# Altium PCB MotorBoard.PcbDoc (part 2 of 2) (continued)
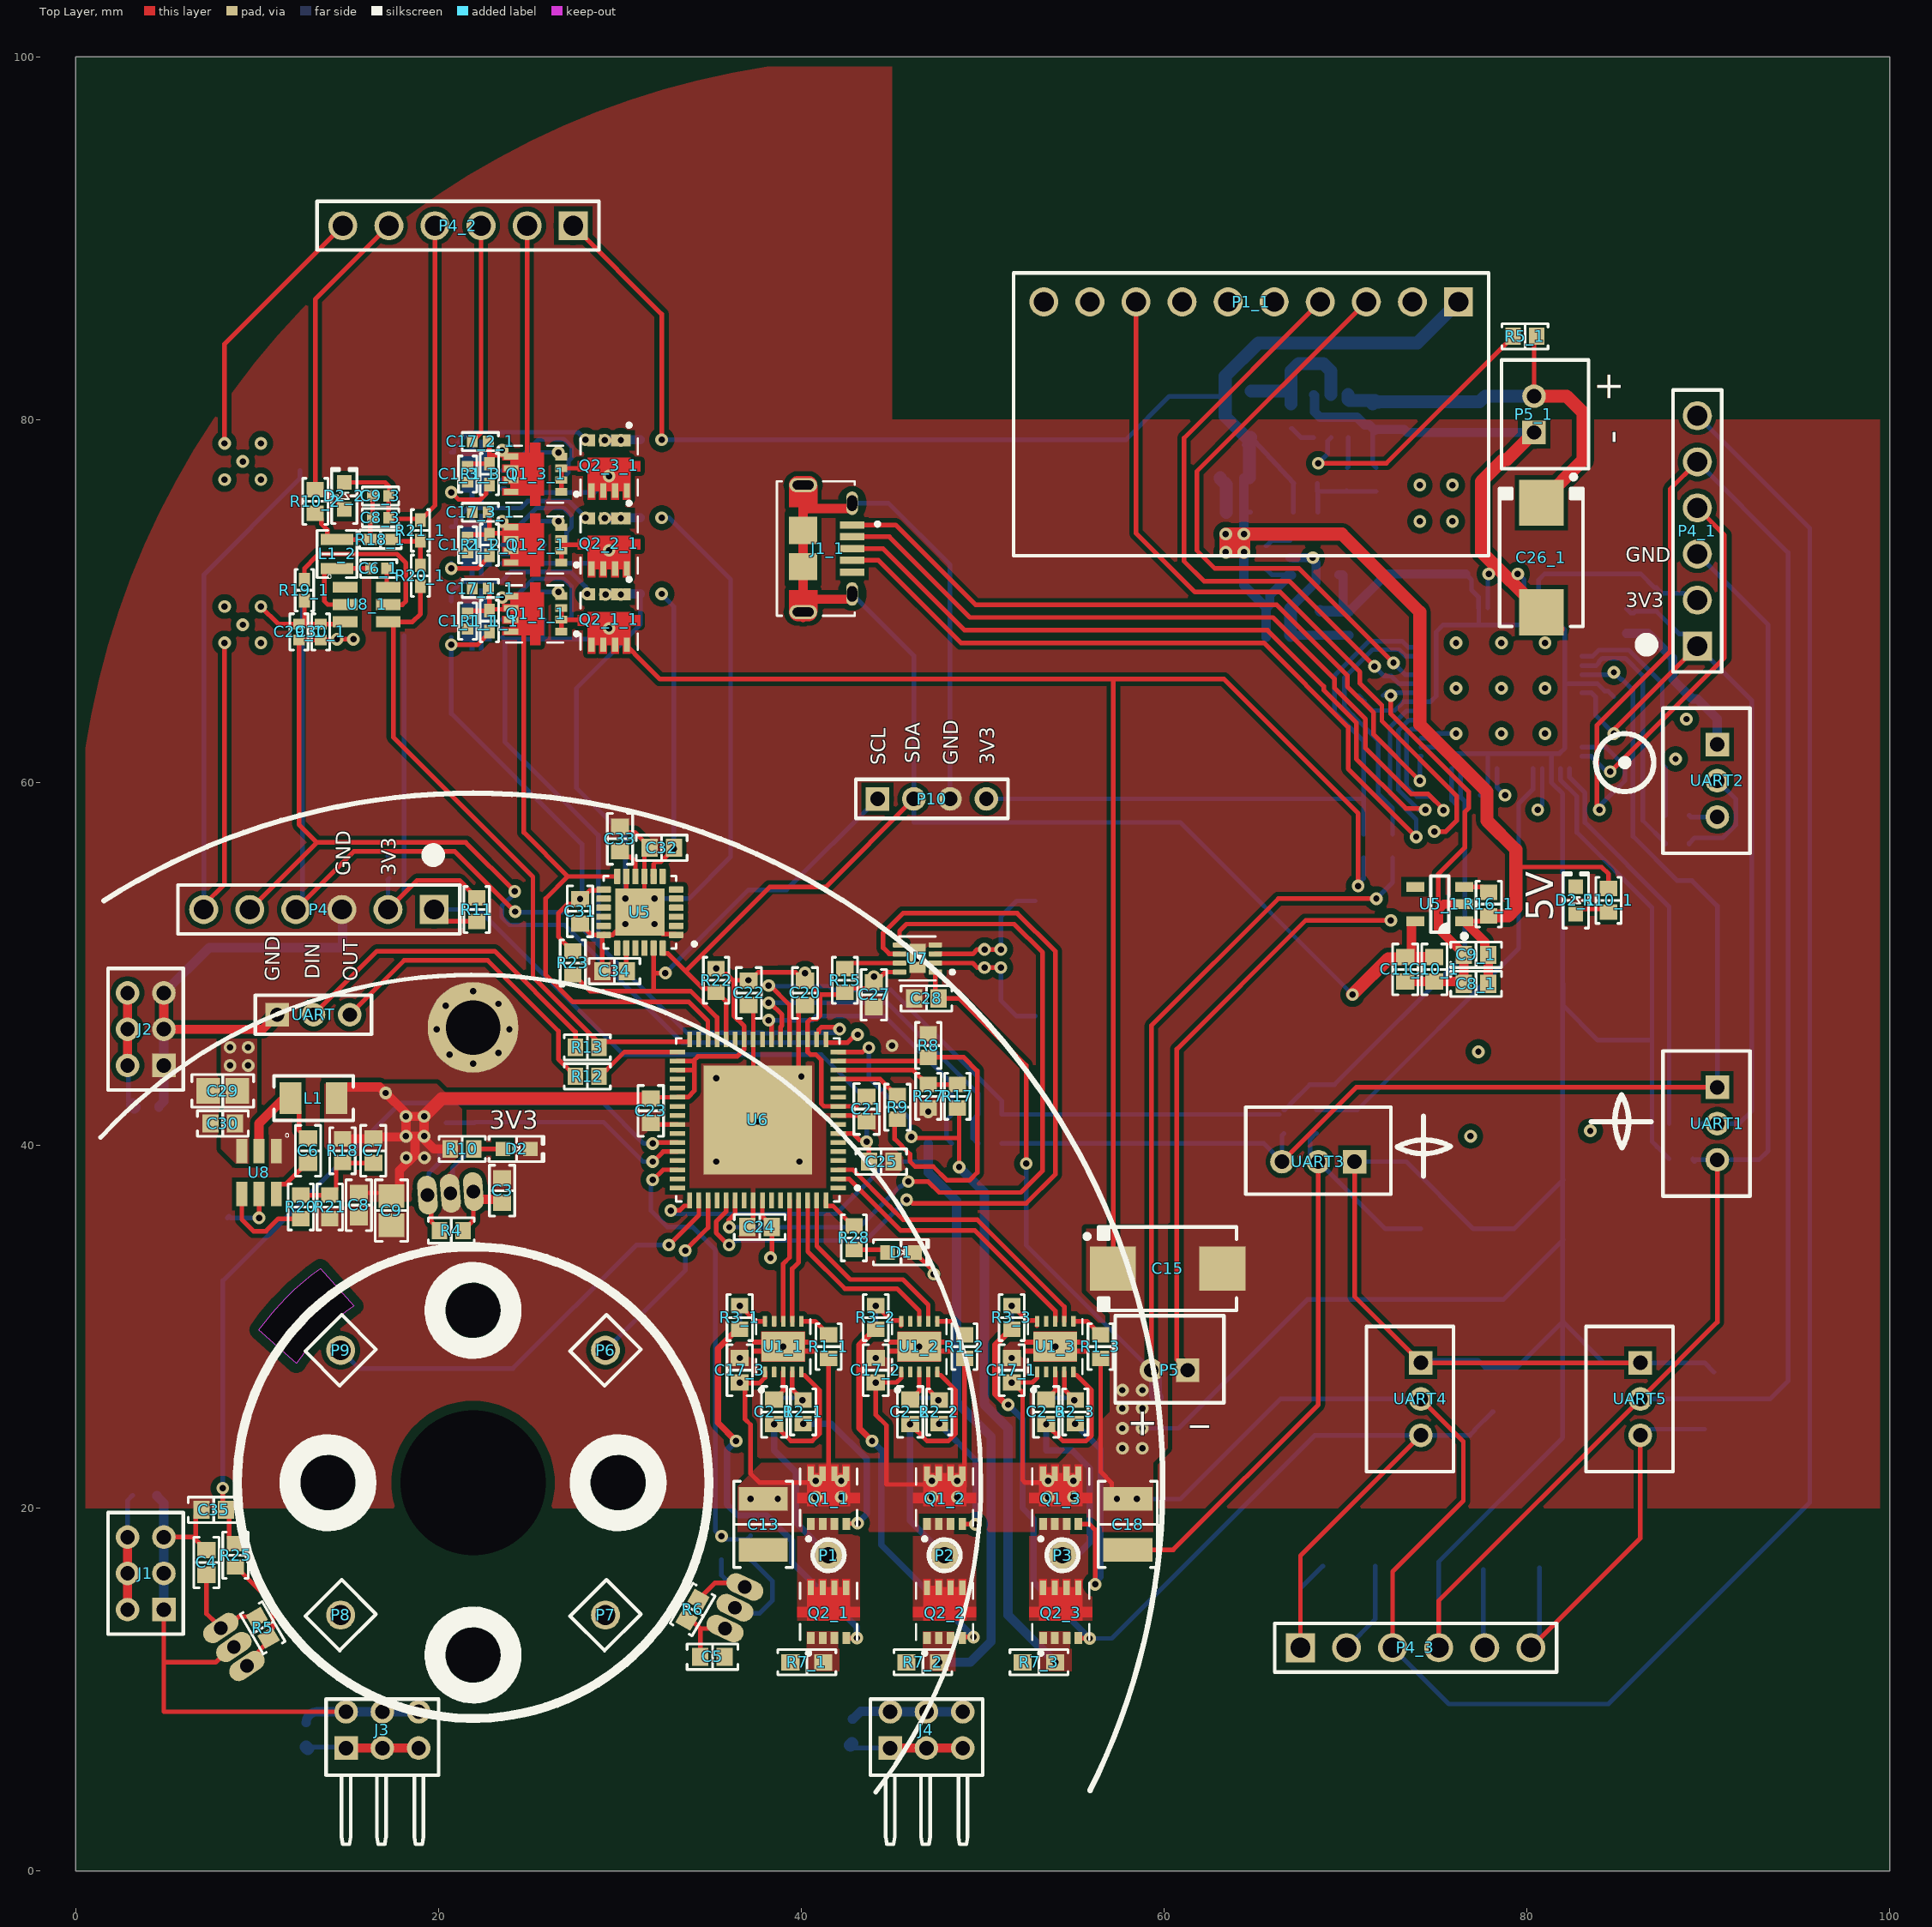
[diagram p0: Top Layer view]
## Nets (pads, with @x,y where several pads share a name; then routed paths per layer and width w, separated by ;. In a path a pad name is that pad's centre, name@x,y a point inside that pad or via, vN(x,y) a via of type N, cw(c..) or ccw(c..) an arc to the next point about the centre after c; other vN are vias at no path point) (continued)
RX: R13.2 U6.32 | length 5.3
  Top Layer w0.254: R13.2@28.85,45.4 28.85,45.416 29.148,45.714 33.847,45.714 33.85,45.717 U6.32@33.85,45.835
SCL: P10.1 R23.1 U5.23 U6.29 | length 28.9
  Top Layer w0.254: R23.1@27.4,49.4 27.45,49.4 28.35,48.5 31.9,48.5 ; U5.23@31.85,50.875 31.85,49.5 ; v1(32.5,49.5) 31.85,49.5 ; U6.29@35.35,45.835 35.347,45.838 35.347,47.053 33.9,48.5 31.9,48.5 ; 31.85,49.5 31.85,48.55 31.9,48.5
  Bottom Layer w0.254: v1(32.5,49.5) 37.081,54.081 39.181,54.081 P10.1@44.2,59.1
SDA: P10.2 R22.1 U5.24 U6.28 | length 23.4
  Top Layer w0.254: U5.24@32.35,50.875 32.35,50.625 32.398,50.577 32.648,50.577 33.62,49.605 ; R22.1@35.3,48.45 35.118,48.632 34.593,48.632 33.62,49.605 ; R22.1@35.35,48.45 35.85,47.95 U6.28@35.85,45.835 ; P10.2@46.2,59.1 41.341,54.241 38.257,54.241 33.62,49.605
TX: R12.2 U6.33 | length 4.8
  Top Layer w0.254: R12.2@28.9,43.85 28.9,43.9 29.148,44.148 29.248,44.148 30.25,45.15 33.159,45.15 33.162,45.147 U6.33@33.165,45.15
VBAT: C1_1.2 C1_2.2 C1_3.2 C10.2 C12.2 C13.2 C14.1 C15.1 C16.1 C17_1.2 C17_2.2 C17_3.2 C18.2 C26.1 C28.1 C29.2 C30.1 J1.2 J1.4 J1.6 J2.2 J2.4 J2.6 J3.1 J3.3 J3.5 J4.1 J4.3 J4.5 P5.2 Q1_1.5 Q1_1.6 Q1_1.7 Q1_1.8 Q1_2.5 Q1_2.6 Q1_2.7 Q1_2.8 Q1_3.5 Q1_3.6 Q1_3.7 Q1_3.8 R1_1.1 R1_2.1 R1_3.1 R19.2 U1_1.1 U1_2.1 U1_3.1 U7.1 U8.3 | length 108.7
  Top Layer w0.254: U1_1.1@38,27.5 38,27.2 37.7,26.9 36.625,26.9 36.9,26.625 36.9,24.9 37.2,24.6 37.2,21.9 37.7,21.4 41.5,21.4 ; 41.4,21.2 41.5,21.3 41.5,21.4 ; R1_1.1@41.5,28.25 41.5,21.4 ; U1_2.1@45.5,27.465 45.5,27.175 45.25,26.925 v2(44.1,26.925) 44.1,25.151 44.7,24.551 44.7,21.3 v1@47.4,21.3 ; U7.1@47.385,49.55 47.385,48.29 C28.1@47.575,48.1 48.705,48.1 52.4,44.405 v1(52.4,39) ; 48.9,21.1 49,21.2 R1_2.1@49,28.25 ; U1_3.1@53,27.465 53,27.175 52.75,26.925 v2(51.6,26.925) 51.65,26.925 51.973,26.602 52.2,26.375 52.2,21.549 52.349,21.4 v1@53.7,21.4 ; R1_3.1@56.5,28.25 56.5,22 57.118,21.382 57.118,21.023 57.641,20.5 C18.2@58,20.5
  Top Layer w0.508: J1.2@2.85,14.4 J1.4@2.85,16.4 J1.6@2.85,18.4 ; J2.2@2.85,44.4 J2.4@2.85,46.4 J2.6@2.85,48.4 ; J3.1@14.9,6.77 J3.3@16.9,6.77 J3.5@18.9,6.77 ; J4.1@44.9,6.77 J4.3@46.9,6.77 J4.5@48.9,6.77
  Bottom Layer w0.254: J1.6@2.85,18.4 2.85,20.425 C10.2@3.125,20.7 ; J2.2@2.85,44.4 2.902,44.348 2.902,42.423 C16.1@3.131,42.194 ; C12.2@12.7,6.825 14.845,6.825 cw(c14.845,6.77) J3.1@14.9,6.77 ; C1_1.2@36.55,26.925 v2(36.6,26.925) C1_1.2@36.575,26.9 ; C14.1@42.753,6.978 42.961,6.77 J4.1@44.9,6.77 ; v1(52.4,39) 52.4,34.5 P5.2@59.3,27.6
  Bottom Layer w0.712: C16.1@3.131,42.244 3.131,42.194 C16.1@3.225,42.1 ; C12.2@12.7,6.825 C12.2@12.794,6.731 ; C14.1@42.706,6.931 42.753,6.978 C14.1@42.8,7.025 ; P5.2@59.3,27.6 59.3,27.441 59.531,27.21 59.531,26.194 C26.1@59.625,26.1
  other v1: 37.2,20.5 38.7,20.5 57.4,20.5 58.5,20.5 40.8,20.6 42.2,20.6 47.2,20.6 48.6,20.6 53.6,20.6 55,20.6 40.8,21.5 42.2,21.5 47.2,21.5 48.6,21.5 53.6,21.5 55,21.5 57.7,23.3 58.8,23.3 57.7,24.4 58.8,24.4 57.7,25.5 58.8,25.5 57.7,26.5 58.8,26.5 8.5,44.4 9.5,44.4 8.5,45.4 9.5,45.4
pads on no net: C1.1 C1.2 C1_1_1.1 C1_1_1.2 C1_2_1.1 C1_2_1.2 C1_3_1.1 C1_3_1.2 C2.1 C2.2 C2_1_1.1 C2_1_1.2 C2_2_1.1 C2_2_1.2 C2_3_1.1 C2_3_1.2 C3_1.1 C3_1.2 C4_1.1 C4_1.2 C5_1.1 C5_1.2 C6_1.1 C6_1.2 C7_1.1 C7_1.2 C8_1.1 C8_1.2 C8_2.1 C8_2.2 C8_3.1 C8_3.2 C9_1.1 C9_1.2 C9_2.1 C9_2.2 C9_3.1 C9_3.2 C10_1.1 C10_1.2 C10_2.1 C10_2.2 C11_1.1 C11_1.2 C11_2.1 C11_2.2 C12_1.1 C12_1.2 C17_1_1.1 C17_1_1.2 C17_2_1.1 C17_2_1.2 C17_3_1.1 C17_3_1.2 C20_1.1 C20_1.2 C21_1.1 C21_1.2 C22_1.1 C22_1.2 C23_1.1 C23_1.2 C24_1.1 C24_1.2 C25_1.1 C25_1.2 C26_1.1 C26_1.2 C29_1.1 C29_1.2 C30_1.1 C30_1.2 D2_1.1 D2_1.2 D2_2.1 D2_2.2 D3_1_1.1 D3_1_1.2 D3_2_1.1 D3_2_1.2 D3_3_1.1 D3_3_1.2 D4_1_1.1 D4_1_1.2 D4_2_1.1 D4_2_1.2 D4_2_2.1 D4_2_2.2 D4_2_3.1 D4_2_3.2 D4_2_4.1 D4_2_4.2 D4_2_5.1 D4_2_5.2 D4_2_6.1 D4_2_6.2 J1_1.1 J1_1.2 J1_1.3 J1_1.4 J1_1.5 J1_1.S1 J1_1.S2 J1_1.S3 J1_1.S4 J1_1.S5 J1_1.S6 L1_1.1 L1_1.2 L1_2.1 L1_2.2 P1_1.1 P1_1.2 P1_1.3 P1_1.4 P1_1.5 P1_1.6 P1_1.7 P1_1.8 P1_1.9 P1_1.10 P4.6 P4_1.1 P4_1.2 P4_1.3 P4_1.4 P4_1.5 P4_1.6 P4_2.1 P4_2.2 P4_2.3 P4_2.4 P4_2.5 P4_2.6 P4_3.1 P4_3.2 P4_3.3 P4_3.4 P4_3.5 P4_3.6 P5_1.1 P5_1.2 Q1_1_1.1 Q1_1_1.2 Q1_1_1.3 Q1_1_1.4 Q1_1_1.5 Q1_1_1.6 Q1_1_1.7 Q1_1_1.8 Q1_2_1.1 Q1_2_1.2 Q1_2_1.3 Q1_2_1.4 Q1_2_1.5 Q1_2_1.6 Q1_2_1.7 Q1_2_1.8 Q1_3_1.1 Q1_3_1.2 Q1_3_1.3 Q1_3_1.4 Q1_3_1.5 Q1_3_1.6 Q1_3_1.7 Q1_3_1.8 Q2_1_1.1 Q2_1_1.2 Q2_1_1.3 Q2_1_1.4 Q2_1_1.5 Q2_1_1.6 Q2_1_1.7 Q2_1_1.8 Q2_2_1.1 Q2_2_1.2 Q2_2_1.3 Q2_2_1.4 Q2_2_1.5 Q2_2_1.6 Q2_2_1.7 Q2_2_1.8 Q2_3_1.1 Q2_3_1.2 Q2_3_1.3 Q2_3_1.4 Q2_3_1.5 Q2_3_1.6 Q2_3_1.7 Q2_3_1.8 R1.1 R1.2 R1_1_1.1 R1_1_1.2 R1_2_1.1 R1_2_1.2 R1_3_1.1 R1_3_1.2 R2.1 R2.2 R3.1 R3.2 R4_1.1 R4_1.2 R5_1.1 R5_1.2 R6_1.1 R6_1.2 R7.1 R7.2 R7_1_1.1 R7_1_1.2 R7_2_1.1 R7_2_1.2 R7_3_1.1 R7_3_1.2 R9_1.1 R9_1.2 R10_1.1 R10_1.2 R10_2.1 R10_2.2 R11_1.1 R11_1.2 R12_1.1 R12_1.2 R13_1.1 R13_1.2 R14_1.1 R14_1.2 R15_1.1 R15_1.2 R16_1.1 R16_1.2 R16_2.1 R16_2.2 R18_1.1 R18_1.2 R19_1.1 R19_1.2 R20_1.1 R20_1.2 R21_1.1 R21_1.2 U1.1 U1.2 U1.3 U1.4 U1.5 U1.6 U1.7 U1.8 U1.9 U1.10 U1.11 U1.12 U1.13 U1.14 U1.15 U1.16 U1.17 U1.18 U1.19 U1.20 U1.21 U1.22 U1.23 U1.24 U1.25 U1.26 U1.27 U1.28 U1.29 U1.30 U1.31 U1.32 U1.33 U1.34 U1.35 U1.36 U1.37 U1.38 U1.39 U1.40 U1.41 U1.42 U1.43 U1.44 U1.45 U1.46 U1.47 U1.48 U1.49 U1.50 U1.51 U1.52 U1.53 U1.54 U1.55 U1.56 U1.57 U1.58 U1.59 U1.60 U1.61 U1.62 U1.63 U1.64 U1.65 U1_1.2 U1_1_1.1 U1_1_1.2 U1_1_1.3 U1_1_1.4 U1_1_1.5 U1_1_1.6 U1_1_1.7 U1_1_1.8 U1_1_1.9 U1_1_1.10 U1_1_1.11 U1_2.2 U1_2_1.1 U1_2_1.2 U1_2_1.3 U1_2_1.4 U1_2_1.5 U1_2_1.6 U1_2_1.7 U1_2_1.8 U1_2_1.9 U1_2_1.10 U1_2_1.11 U1_3.2 U1_3_1.1 U1_3_1.2 U1_3_1.3 U1_3_1.4 U1_3_1.5 U1_3_1.6 U1_3_1.7 U1_3_1.8 U1_3_1.9 U1_3_1.10 U1_3_1.11 U4_1.1 U4_1.2 U4_1.3 U4_1.4 U4_1.5 U4_1.6 U5.2 U5.3 U5.4 U5.5 U5.6 U5.7 U5.14 U5.15 U5.16 U5.17 U5.19 U5.21 U5.22 U5_1.1 U5_1.2 U5_1.3 U5_1.4 U5_1.5 U5_2.1 U5_2.2 U5_2.3 U5_2.4 U5_2.5 U6.1 U6.4 U6.5 U6.6 U6.8 U6.11 U6.12 U6.24 U6.27 U6.36 U6.37 U6.39 U6.40 U6.42 U6.45 U6.47 U6.48 U6.52 U6.55 U6.58 U6.59 U8_1.1 U8_1.2 U8_1.3 U8_1.4 U8_1.5 U8_1.6 UART1.1 UART1.2 UART1.3 UART2.1 UART2.2 UART2.3 UART3.1 UART3.2 UART3.3 UART4.1 UART4.2 UART4.3 UART5.1 UART5.2 UART5.3
copper on no net: | length 2225.3
  Top Layer w0.254: 7.05,53.25 8.2,54.4 v3(8.2,67.7) ; v3(8.2,78.7) 8.2,84.18 14.72,90.7 ; v3(10.2,69.7) 11.16,68.74 12.3,68.74 12.6,68.74 ; 12.6,70.025 12.6,68.74 ; 12.6,71.175 12.6,71.805 13.246,72.451 13.395,72.6 17.7,72.6 18.2,72.1 18.2,70 18,69.8 17.228,69.8 17.218,69.811 ; 13.2,74.85 13.242,74.85 13.54,74.552 13.54,74.26 13.868,73.932 13.868,73.573 14.041,73.4 14.4,73.4 16.225,73.4 16.225,74.465 16.36,74.6 16.36,75.8 ; 13.29,56.7 12.3,57.69 12.3,67.86 13.5,67.86 13.508,67.868 14.368,67.868 v3(14.4,67.9) v3(15.3,67.9) ; 14.8,75.05 13.907,75.943 13.407,75.943 13.2,76.15 13.2,86.64 17.26,90.7 ; 14.8,76.55 17.05,76.55 17.3,76.3 17.3,75.86 17.24,75.8 17.24,74.602 ; 14.848,68.861 14.727,68.74 13.5,68.74 12.6,68.74 ; 14.848,69.811 13.889,69.811 13.7,70 13.7,71.627 13.873,71.8 14.4,71.8 16.26,71.8 ; 17.14,71.8 17.14,70.838 17.218,70.761 ; 17.218,68.861 18.561,68.861 19,69.3 19,70.825 ; 17.24,74.6 17.24,74.602 ; 17.375,73.4 17.475,73.3 18.975,73.3 19,73.325 19,71.975 ; 17.5,69 17.5,62.5 25.2,54.8 25.2,49.3 28.85,45.65 28.85,45.4 ; 19.8,90.7 19.8,75.275 19,74.475 18.938,74.538 17.413,74.538 17.413,74.775 17.24,74.602 ; v4(20.7,67.6) 22.15,67.6 22.8,68.25 22.8,68.325 ; v4(20.7,71.8) 22.15,71.8 22.8,72.45 22.8,72.525 ; v4(20.7,76) 21.1,75.6 22.3,75.6 22.627,75.927 22.627,76.252 22.8,76.425 ; 21.6,69.34 21.735,69.475 22.8,69.475 ; 21.6,73.54 21.735,73.675 22.8,73.675 ; 21.6,77.44 21.735,77.575 22.8,77.575 22.8,78.05 ; 21.86,78.8 22.34,79.28 22.34,90.7 ; 22.74,70.7 22.8,70.64 22.8,69.475 ; 22.74,74.9 22.8,74.84 22.8,73.675 ; 22.74,78.8 22.8,78.74 22.8,78.05 ; v3(23.5,70.2) 24.6,70.2 ; v3(23.5,78.322) 23.5,78.245 v3@23.695,78.05 ; 24,77.975 23.77,77.975 v3@23.695,78.05 ; 24,78.05 24.45,78.05 24.8,77.7 ; 24.7,69.1 24.7,69.401 ; 24.8,73.3 24.35,73.75 22.875,73.75 22.8,73.675 ; 24.8,77.3 24.88,77.38 24.88,90.7 ; v2(26.6,70.5) 26.6,70.445 v2@26.77,70.275 ; v2(26.6,74.4) 26.685,74.315 26.685,74.158 26.768,74.075 26.77,74.075 ; v2(26.6,78.2) 26.6,78.145 v2@26.77,77.975 ; 26.77,68.325 26.77,68.975 ; 26.77,69.625 26.77,68.975 ; 26.77,72.125 26.77,72.775 26.77,73.1 ; 26.77,73.425 26.77,73.1 ; 26.77,76.025 26.77,76.675 26.77,77.325 29.075,77.325 v2@29.4,77 ; 27.125,54.825 24.7,57.25 24.7,69.401 ; 27.42,90.7 32.3,85.82 v4(32.3,78.9) ; v2(28.1,74.6) 28.115,74.585 28.41,74.585 v2@28.425,74.57 ; v2(28.1,78.9) 28.115,78.885 28.41,78.885 v2@28.425,78.87 ; v2(28.2,70.4) 28.23,70.37 v2@28.425,70.37 ; v2@29.075,70.37 v2(29.203,70.37) 29.725,70.37 v2(30.05,70.37) v2@30.375,70.37 ; v2@29.075,78.87 v2(29.158,78.87) 29.725,78.87 v2(30.05,78.87) v2@30.375,78.87 ; v2(29.156,74.57) 29.075,74.57 29.725,74.57 v2(30.05,74.57) v2@30.375,74.57 ; v2@29.3,72.9 29.1,73.1 26.77,73.1 ; v2(29.4,68.5) 32.2,65.7 63.3,65.7 70.7,58.3 v1(70.7,54.3) ; 29.4,68.9 29.325,68.975 26.77,68.975 ; 42.8,72.25 44.25,72.25 48.8,67.7 65.5,67.7 70.146,63.054 70.146,60.754 v1(73.9,57) ; 42.8,72.9 44.5,72.9 49,68.4 65.7,68.4 68.8,65.3 68.8,65.1 70.6,63.3 70.6,61.3 73.325,58.575 74.325,58.575 v1(74.4,58.5) ; 42.8,73.55 44.85,73.55 49.3,69.1 66,69.1 69.4,65.7 69.4,65.2 71.1,63.5 71.1,61.9 73.631,59.369 74.565,59.369 75.4,58.534 v1(75.4,58.467) ; 42.8,74.2 45.2,74.2 49.6,69.8 66.2,69.8 70.1,65.9 70.1,65.3 71.554,63.846 71.554,62.646 v1(74.1,60.1) ; 57.2,32.9 57.2,65.7 ; 58,17.7 60.5,17.7 68.5,25.7 68.5,39.1 ; 58.45,86.5 58.45,73.75 61.7,70.5 66.4,70.5 70.8,66.1 70.8,65.466 72.008,64.258 72.008,63.392 76.131,59.269 76.131,57.903 75.528,57.3 v1(74.9,57.3) ; 59.3,27.6 59.3,46.6 66.3,53.6 v1(71.7,53.6) ; 61.3,27.6 60.7,28.2 60.7,45.3 67.8,52.4 v1(72.5,52.4) ; 66.5,39.1 70.6,43.2 90.5,43.2 ; 67.52,12.3 67.52,17.374 74.157,24.011 ; v1(68.5,77.6) 72.25,77.6 78.902,84.252 78.952,84.252 79.25,84.55 79.25,84.6 ; 68.61,86.5 61.1,78.99 61.1,72.2 62.2,71.1 66.9,71.1 v1(71.6,66.4) ; 70.5,39.1 70.5,31.668 74.157,28.011 86.257,28.011 ; 71.15,86.5 61.8,77.15 61.8,72.8 62.8,71.8 67.446,71.8 v1(72.646,66.6) ; v1(72.5,64.8) 72.5,63.79 76.8,59.49 76.8,58.6 76.585,58.385 76.585,56.424 75.125,54.964 75.125,53.002 ; 72.6,12.3 72.6,16.5 76.5,20.4 76.5,23.668 74.157,26.011 ; 75.14,12.3 75.14,14.894 86.257,26.011 90.5,30.254 90.5,39.2 ; 76.115,53.152 76.402,53.152 76.55,53.3 ; 76.55,52.35 77.55,52.35 77.85,52.65 77.9,52.65 ; 76.55,54.25 77.55,54.25 77.85,53.95 77.9,53.95 ; 79.396,55.125 79.612,55.341 84.119,55.341 84.504,54.956 84.504,54.15 ; 80.22,12.3 86.257,18.337 86.257,24.011 ; 80.4,81.3 80.4,84.45 80.55,84.6 ; 82.7,52.75 82.973,53.023 84.331,53.023 84.504,52.85 ; v1(84,58.5) 84,58.621 83.869,58.752 83.869,63.169 87.9,67.2 87.9,76.18 89.4,77.68 ; v1(84.6,60.6) 84.619,60.6 90.9,66.881 90.9,73.64 89.4,75.14 ; v1(84.8,62.7) 84.885,62.785 84.885,63.005 89.4,67.52 ; 22.8,69.475 22.875,69.55 24.551,69.55 24.7,69.401 ; 22.8,78.05 v3@23.695,78.05
  Top Layer w0.508: 40.1,69.1 40.1,69.9 ; 40.1,76.1 40.1,74.9 ; 42.8,70.1 40.3,70.1 40.1,69.9 ; 42.8,75.1 40.3,75.1 40.1,74.9 ; 73.3,49.025 74.9,49.025 76.525,49.025 ; 73.635,50.411 73.635,52.329 73.656,52.35 73.85,52.35 ; 76.475,52.329 76.663,52.329 76.663,52.235 77.679,51.219 77.679,50.696 77.875,50.5 77.875,48.9 ; 76.525,48.9 76.525,49.025 ; 76.55,53.3 75.423,53.3 75.125,53.002 75.125,51.95 76.525,50.55 76.525,49.025 ; 40.1,69.9 40.1,71.6 40.1,73.6 40.1,74.9
  Top Layer w0.608: 74.872,50.347 74.9,50.375
  Top Layer w0.712: v1(64.4,72.7) v1@64.4,72.732 ; v1(70.387,48.313) 70.534,48.459 72.357,50.282 73.207,50.282 73.3,50.375 ; 73.281,50.3 73.635,50.3 74.825,50.3 74.872,50.347 ; 77.9,52.65 78.979,52.65 79.396,53.067 79.396,55.125 79.396,56.304 77.8,57.9 77.8,59.5 74.1,63.2 74.1,69.4 69.8,73.7 v1(64.4,73.7) ; 80.4,79.3 78.903,77.803 78.703,77.803 77.5,76.6 77.5,72.725 80.8,69.425 80.8,69.375 80.8,69.325 81.669,68.456 81.719,68.456 ; 80.4,81.3 82.2,81.3 83.1,80.4 83.1,77.775 80.8,75.475 80.8,75.425 ; 63.4,73.216 64.4,73.216 ; 63.4,73.216 63.4,72.732 v1@64.4,72.732 ; 63.4,73.216 v1(63.4,73.7) v1(64.4,73.7) ; v1@64.4,72.732 64.4,73.216 ; 64.4,73.216 v1(64.4,73.7)
  Bottom Layer w0.254: 7.05,53 7.05,71.45 12.35,76.75 12.35,77.2 ; 12.4,53 12.5,53.1 12.5,70.2 ; 17.4,53.19 18.1,53.89 18.1,68.1 ; 20.7,68 v4(20.7,67.6) 20.7,63.8 27.9,56.6 27.9,53.675 ; 20.7,70 20.7,70.515 21.258,71.073 23.442,71.073 23.981,71.612 27.288,71.612 28.115,70.785 28.115,70.485 v2(28.2,70.4) ; v4(20.7,71.8) v4@20.7,72.1 ; 20.7,74.1 20.866,74.1 20.948,74.182 20.948,74.485 21.594,75.131 24.531,75.131 24.912,75.512 27.188,75.512 v2(28.1,74.6) ; 20.7,78.2 20.846,78.2 20.853,78.207 20.853,78.49 21.675,79.312 27.688,79.312 v2(28.1,78.9) ; 21.6,68.46 22.1,68.96 22.1,69 ; 21.6,72.66 21.66,72.66 22.1,73.1 ; 21.6,76.58 22.1,77.08 22.1,77.2 ; 23.5,68 23.548,68 23.648,67.9 ; 23.5,68.5 23.545,68.5 23.645,68.4 24.5,68.4 24.9,68.8 24.9,69.9 25.5,70.5 v2(26.6,70.5) ; 23.5,69 23.507,68.993 23.948,68.993 24.041,68.9 24.251,68.9 24.4,69.049 24.4,70.4 25.231,71.231 26.903,71.231 27.331,70.803 27.331,69.156 27.175,69 ; 23.5,72.1 25.6,72.1 ; 23.5,72.6 24.6,72.6 24.9,72.9 24.9,73.6 25.7,74.4 v2(26.6,74.4) ; 23.5,73.1 23.507,73.107 24.151,73.107 24.3,73.256 24.3,74.039 25.392,75.131 26.903,75.131 27.331,74.703 27.331,74.097 27.066,73.832 27.066,73.209 27.175,73.1 ; v3@23.5,74.1 v3(23.5,74.4) ; 23.5,76.2 23.666,76.2 23.807,76.059 23.841,76.059 23.9,76 25.525,76 ; 23.5,76.7 23.507,76.707 24.107,76.707 25.6,78.2 v2(26.6,78.2) ; 23.5,77.2 23.666,77.2 23.792,77.326 23.926,77.326 25.531,78.931 26.903,78.931 27.331,78.503 27.331,77.897 27.166,77.732 27.166,77.091 27.075,77 ; 25.725,77 25.525,76.8 25.525,76 ; 25.825,69 25.725,68.9 25.725,67.925 25.7,67.9 ; 25.825,73.1 25.525,72.8 25.525,72.175 25.6,72.1 ; 28.8,51.2 28.8,57.1 23.648,62.252 23.648,67.9 ; v2@29.3,72.8 28.6,72.1 25.6,72.1 ; v2(29.4,68.5) 28.8,67.9 25.7,67.9 ; v2@29.5,76.9 28.6,76 25.525,76 ; v2(30.05,70.37) v2@30.05,70.4 ; v2(30.05,74.57) v2@30.05,74.6 ; v2(30.05,78.87) v2@30.05,78.9 ; 30.3,53.6 30.3,57 27.6,59.7 27.6,65.2 31.125,68.725 31.125,70.4 ; 31.9,53.6 33.8,53.6 36.1,55.9 36.1,71.2 32.7,74.6 ; v4@32.275,74.6 v4(32.3,74.6) ; v4(32.3,70.4) 32.275,70.4 32.975,69.7 32.975,56.35 ; v4(32.3,78.9) 32.275,78.9 57.9,78.9 60.293,81.293 63.369,81.293 ; 42.8,70.4 46.2,67 46.2,59.1 ; 42.8,75.4 44.8,75.4 48.2,72 48.2,59.1 ; 46.2,58.8 46.2,57.8 60.9,57.8 v1@70.2,48.5 ; 50.2,59.1 71,59.1 ; 51.05,40.1 65.5,40.1 66.5,39.1 ; 51.05,41.7 66.35,41.7 ; 55.9,12.815 57.115,12.815 68.311,24.011 74.157,24.011 76.492,24.011 76.861,24.011 77.127,24.277 77.127,24.327 78.099,25.299 78.149,25.299 ; 58.5,20.5 60.9,20.5 66.411,26.011 74.157,26.011 ; 58.8,24.4 60.8,24.4 67.9,31.5 78.7,31.5 82,34.8 ; 64.4,74.9 64.775,74.9 ; 64.4,78.625 64.8,79.025 64.953,78.861 67.15,76.5 67.125,76.5 67.125,74.9 ; 65.6,71.75 65.65,71.75 65.95,71.45 66.95,71.45 ; 65.6,73.05 65.65,73.05 65.95,73.35 66.95,73.35 ; 65.625,69.6 65.625,69.65 ; 66.2,39.3 66.217,39.3 66.5,39.583 66.5,40.55 66.6,40.65 ; 66.6,41.95 66.65,41.95 66.948,42.248 66.948,42.26 68.034,43.346 69.388,43.346 76.585,50.543 76.585,58.958 76.35,59.193 76.35,60.765 ; 66.95,72.4 67.098,72.252 67.385,72.252 ; 67,79.525 67.05,79.525 67.56,79.015 68.25,79.015 ; 67.52,12.3 67.52,15.57 68.75,16.8 ; 68,39.1 68.052,39.152 68.052,40.352 68.35,40.65 68.4,40.65 ; 68.4,41.95 70.65,41.95 79.552,50.852 79.552,58.839 80.35,59.637 80.35,60.765 ; 68.45,76.5 68.45,76.05 68.475,76.05 ; 68.475,74.9 68.475,76.05 ; 68.5,39.1 72.2,35.4 74.15,35.4 ; v1(68.5,77.6) 69.027,78.127 69.027,78.842 69.2,79.015 ; 70.05,76.1 70.1,76.05 ; 70.06,12.3 71.65,13.89 71.65,16.8 ; 70.1,77.35 70.15,77.4 70.15,79.015 ; 70.2,69.475 70.25,69.475 ; 70.5,39.1 73.35,39.1 77.05,35.4 79.3,35.4 82,38.1 ; v1@70.7,54.421 71,54.721 71,55.85 ; 70.725,64.8 71.048,64.477 71.048,64.415 71.49,63.973 72.707,63.973 73.184,64.45 74.165,64.45 74.168,64.453 74.69,64.453 75,64.763 75,68.3 75.395,68.695 77.3,68.695 ; 71,57.15 71,62.3 69.394,63.906 69.394,65.894 71.285,67.785 73.137,67.785 73.469,67.453 74.162,67.453 74.165,67.45 ; 71.5,79.525 71.5,77.55 71.7,77.35 ; v1(71.6,66.4) 72.131,65.869 72.531,65.869 72.95,65.45 74.165,65.45 ; v1(71.7,53.6) 72.6,54.5 72.6,55.85 ; 71.7,76.05 70.1,76.05 ; 72.075,64.8 72.1,64.8 72.25,64.95 74.165,64.95 ; 72.6,12.3 75.7,9.2 ; 72.6,57.15 72.6,58.582 71.8,59.382 71.8,62.313 70.413,63.7 69.948,64.165 69.948,65.782 71.497,67.331 72.949,67.331 73.327,66.953 74.162,66.953 74.165,66.95 ; v1(72.646,66.6) 73.293,65.953 74.162,65.953 74.165,65.95 ; v1(73.9,57) 73.9,57.966 72.461,59.405 72.461,63.053 73.355,63.947 74.162,63.947 74.165,63.95 ; v1(74.1,60.1) 74.1,61.447 74.103,61.45 74.165,61.45 ; 74.157,28.011 74.296,28.15 77.3,28.15 77.7,27.75 78.85,27.75 79.45,27.75 82,30.3 ; 74.165,61.95 74.168,61.947 74.171,61.95 75.05,61.95 75.4,61.6 77.8,61.6 ; 74.165,62.45 74.168,62.453 74.811,62.453 75.058,62.7 v1(76.1,62.7) ; 74.165,62.95 74.162,62.947 73.64,62.947 73.369,62.676 73.369,60.403 73.369,59.797 73.935,59.231 74.703,59.231 75.4,58.534 v1(75.4,58.467) ; 74.165,63.45 74.162,63.447 73.498,63.447 72.915,62.865 72.915,60.591 72.915,59.609 74.024,58.5 v1(74.4,58.5) ; v1(74.9,57.3) 75.545,57.3 76.131,57.886 76.131,58.77 75.85,59.051 75.85,60.765 ; 75.14,12.3 75.14,17.04 81.975,23.875 81.975,58.5 81.975,59.381 81.353,60.003 81.353,60.762 81.35,60.765 81.35,61.55 81.3,61.6 ; 76.625,71.5 76.948,71.177 76.948,70.619 77.347,70.22 77.347,69.638 77.35,69.635 77.35,68.745 77.3,68.695 ; 77.425,59.3 77.748,59.623 77.748,59.855 77.847,59.954 77.847,60.762 77.85,60.765 77.847,60.768 77.847,61.553 77.8,61.6 ; 77.6,16.6 77.6,12 77.68,12.08 ; 77.85,69.635 77.85,71.475 77.875,71.5 v1(77.9,71.5) ; 78.35,60.765 78.35,59.75 v1@78.775,59.325 ; v1@78.775,59.3 v1@78.775,59.325 ; v1(79.5,71.5) 79.55,71.45 79.575,71.45 79.85,71.175 79.85,69.635 ; 80.22,12.3 80.7,12.78 80.7,16.7 ; v1(80.6,58.5) 80.85,58.75 80.85,60.765 ; 81.85,60.765 81.847,60.762 81.847,60.151 82.752,59.246 82.752,57.248 86.9,53.1 86.9,40.2 87.176,39.924 87.85,39.25 ; 81.975,30.275 84.239,28.011 86.257,28.011 89.8,28.011 90.316,27.495 ; 82,48.9 82,47.7 83.9,45.8 86.9,45.8 ; 82.35,60.765 82.353,60.762 82.353,60.287 83.206,59.434 83.206,57.794 87.85,53.15 87.85,41.2 ; 83.035,61.45 83.038,61.447 83.553,61.447 84.315,60.685 84.515,60.685 v1(84.6,60.6) ; 83.035,61.95 84.35,61.95 85.4,60.9 85.4,60.1 84,58.7 v1(84,58.5) ; 83.035,64.95 83.038,64.947 83.56,64.947 83.8,64.707 83.8,63.7 v1(84.8,62.7) ; 83.035,65.95 84.675,65.95 v1(84.8,66.075) 85.182,65.693 85.245,65.693 85.854,65.083 85.854,57.034 88.293,54.595 89.105,54.595 90.5,53.2 90.5,43.2 ; 83.035,66.45 83.824,66.45 83.973,66.599 83.973,66.66 84.165,66.852 85.435,66.852 86.394,65.894 86.394,57.906 87.65,56.65 87.65,56.6 ; 83.035,66.95 83.038,66.953 83.623,66.953 83.976,67.306 85.623,67.306 87.469,65.461 87.469,60.997 87.65,60.816 87.65,58.2 ; 84.8,64.725 84.477,65.048 84.294,65.048 83.892,65.45 83.035,65.45 82.145,65.45 82.095,65.5 ; 85.5,69.575 85.723,69.352 85.898,69.352 85.986,69.44 87.15,69.44 88.397,68.193 88.727,68.193 89.4,67.52 92.4,64.52 92.4,41.9 91.7,41.2 90.5,41.2 89.15,41.2 89.181,41.231 ; 86.257,24.011 86.596,24.35 89.8,24.35 ; 86.257,26.011 93.411,26.011 94.4,27 94.4,72.68 89.4,77.68 ; 87.1,70.74 87.05,70.74 ; 88.95,56.6 88.95,56.65 89.248,56.948 90.806,56.948 91.531,57.673 91.531,59.069 90.5,60.1 ; 88.95,58.2 89.05,58.1 90.5,58.1 ; 89.15,39.25 89.15,39.2 ; 89.25,39.1 89.15,39.2 ; 89.4,70.06 89.036,70.06 88.654,70.442 87.448,70.442 87.15,70.74 87.05,70.74 ; 89.4,72.6 93.3,68.7 93.3,39.7 92.8,39.2 90.5,39.2 89.15,39.2 ; 89.4,80.22 95.6,74.02 95.6,20.3 84.5,9.2 75.8,9.2 ; 23.648,67.9 25.7,67.9 ; 68.475,76.05 70.1,76.05 ; 75.7,9.2 75.8,9.2 ; 75.7,9.2 75.8,9.2 ; 77.3,68.695 80.3,68.695 ; 77.8,61.6 81.3,61.6 ; v1@78.775,59.325 78.775,59.35 78.8,59.325 v1(78.8,59.3) v1@78.775,59.325 ; 80.3,68.695 80.35,68.745 80.35,69.635 80.353,69.638 80.353,70.32 80.652,70.619 80.652,71.177 80.975,71.5 86.29,71.5 87.05,70.74 ; 80.3,68.695 81.805,68.695 82.095,68.405 82.095,65.5 ; 81.3,61.6 81.8,61.6 82.095,61.895 82.095,65.5
  Bottom Layer w0.508: 64.4,76.8 64.4,74.9 v1(64.4,73.7) ; 65.625,68 65.625,69.6 65.821,69.796 65.821,70.319 66.837,71.335 66.837,71.429 67.025,71.429 ; 65.625,69.65 64.4,70.875 v1(64.4,72.7) ; 66.95,72.4 68.077,72.4 68.375,72.102 68.375,71.05 66.975,69.65 66.975,69.6 ; 66.975,68 66.975,68.125 68.6,68.125 70.2,68.125 ; 68.25,81.385 68.296,81.339 68.296,80.442 68.594,80.144 70.638,80.144 71.061,79.721 71.304,79.721 71.5,79.525 71.613,79.413 71.663,79.463 73.237,79.463 73.4,79.3 80.4,79.3 ; 69.65,71.45 69.843,71.45 69.864,71.429 69.864,69.511 ; 70.25,69.475 72.275,71.5 76.625,71.5 ; 85.5,68.225 86.675,68.225 88.05,66.85 88.05,65.682 89.12,64.612 89.4,64.612 90.5,63.512 90.5,62.1 ; 63.4,73.2 v1(63.4,72.7) v1(64.4,72.7) ; 63.4,73.2 v1(63.4,73.7) v1(64.4,73.7) ; 63.4,73.2 64.4,73.2 ; v1(64.4,72.7) 64.4,73.2 ; 64.4,73.2 v1(64.4,73.7)
  Bottom Layer w0.512: v2(29.156,74.57) v2(30.05,74.57) ; v2(29.158,78.87) v2(30.05,78.87) ; v2(29.203,70.37) v2(30.05,70.37) ; v2@30.05,70.4 31.125,70.4 ; v2@30.05,74.6 31.125,74.6 ; v2@30.05,78.9 31.125,78.9
  Bottom Layer w0.608: 68.6,69.475 68.628,69.447 69.864,69.447 70.172,69.447 70.2,69.475
  Bottom Layer w0.712: 63.1,76.8 63.1,76.75 63.425,76.425 63.425,74.9 ; 64.7,76.8 64.7,78.625 ; 64.775,79.025 64.525,79.025 63.369,80.181 63.369,82.405 65.194,84.231 73.961,84.231 76.23,86.5 ; 64.8,81.575 66.925,81.575 67,81.5 ; 66.975,68.125 66.975,69.6 ; 67,80.875 67,81.5 ; 69.2,81.385 69.2,82.683 68.783,83.1 67.417,83.1 67,82.683 67,81.5 ; 70.15,81.385 70.15,81.122 70.206,81.066 71.63,81.066 71.727,80.969 ; 71.5,80.875 71.594,80.969 71.727,80.969 ; 80.4,81.3 77.7,81.3 77.4,81 73.3,81 71.863,81 71.832,80.969 71.727,80.969
  other v1: 76.9,40.5 83.5,40.8 77.327,45.16 88.2,61.3 78.6,62.7 81,62.7 88.8,63.5 76.1,65.2 78.6,65.2 81,65.2 76.1,67.7 78.6,67.7 81,67.7 68.2,72.4 74.1,74.4 75.9,74.4 74.1,76.4 75.9,76.4
  other v2: 29.4,72.8 29.4,76.9
  other v3: 10.2,67.7 9.2,68.7 8.2,69.7 8.2,76.7 10.2,76.7 9.2,77.7 10.2,78.7

## Polygon pours and split planes (outlines as drawn)
GND on Top Layer "GND_L01_P073" (solid, pour order 73): 100,20 100,80 45,80 45,100 ccw(c45,55) 0,55 0,20
VBAT on Top Layer "Top Layer-No Net" (solid, pour order 25): 36.5,18.7 59.4,18.7 59.4,22.5 60.2,23.3 60.2,35.4 55.7,35.4 55.7,32 57,30.7 57,25.3 54.2,22.5 37.8,22.5 36.5,21.2
I_SENSE2 on Top Layer "NONET_L02_P-001" (solid, pour order 26): 46.7,13.2 46.7,11 48.5,11 48.5,13.2
I_SENSE3 on Top Layer "NONET_L02_P-001" (solid, pour order 29): 53.1,13.2 53.1,11 54.9,11 54.9,13.2
I_SENSE1 on Top Layer "NONET_L02_P-001" (solid, pour order 32): 40.3,13.2 40.3,11 42.1,11 42.1,13.2
Bridge_Out2 on Top Layer "NONET_L02_P-001" (solid, pour order 44): 46.17,13.8 46.17,19.475 49.63,19.475 49.63,13.8
Bridge_Out3 on Top Layer "NONET_L02_P-001" (solid, pour order 45): 52.57,13.8 52.57,19.5 56.03,19.5 56.03,13.8
Bridge_Out1 on Top Layer "NONET_L02_P-001" (solid, pour order 52): 39.77,13.8 39.77,19.5 43.23,19.5 43.23,13.8
VBAT on Top Layer "NONET_L02_P-001" (solid, remove dead copper, pour order 56): 8,39.8 8.8,39 10,39 10,45.9 8,45.9
3V3 on Top Layer "NONET_L02_P-001" (solid, pour order 63): 13.7,43.4 19.9,43.4 21.3,42 21.3,39.6 18.6,36.9 14.1,36.9 14.1,39.512 13.7,39.912
GND on Bottom Layer "GND_L02_P072" (solid, pour order 72): 100,20 100,80 45,80 45,100 ccw(c45,55) 0,55 0,20

## Silkscreen, mask and mechanical layers (free items; w line width, h text height)
Top Overlay:
  circle w1.15: c21.9,11.9 r2.1
  circle w1.15: c29.9,21.4 r2.1
  circle w1.15: c13.9,21.4 r2.1
  circle w1.15: c21.9,30.9 r2.1
  circle w0.712: c19.7,56 r0.3
  circle w0.5: c21.9,21.4 r13
  circle w0.3: c85.4,61.1 r1.6
  circle w0.4: c85.4,61.1 r0.17
  circle w0.712: c86.6,67.6 r0.3
  lines w0.254: 1.368,40.437 cw(c21.9,21.4) 44.108,4.347
  lines w0.3: 1.544,53.488 cw(c21.926,21.417) 55.914,4.422 ; 74.3,38.31 74.3,41.61 ; 83.55,41.3 86.85,41.3 ; 72.862,39.911 cw(c74.35,37.26) 75.787,39.939 cw(c74.3,42.51) 72.862,39.911 ; 85.221,42.787 cw(c82.65,41.3) 85.248,39.862 cw(c87.9,41.35) 85.221,42.787
  text "+" at 85.2,80.954 h1.52 r90
  text "-" at 85.408,78.654 h1.52 r90
  text "GND" at 85.453,72.153 h0.8
  text "3V3" at 85.453,69.653 h0.8
  text "SDA" at 46.547,61.053 h0.8 r90
  text "SCL" at 44.647,60.953 h0.8 r90
  text "GND" at 48.647,60.953 h0.8 r90
  text "3V3" at 50.647,60.953 h0.8 r90
  text "GND" at 15.147,54.853 h0.8 r90
  text "3V3" at 17.647,54.853 h0.8 r90
  text "5V" at 81.446,52.354 h1.52 r90
  text "DIN" at 13.447,49.153 h0.8 r90
  text "GND" at 11.247,49.053 h0.8 r90
  text "OUT" at 15.547,49.053 h0.8 r90
  text "3V3" at 22.8,40.9 h1
  text "_" at 61.45,24.9 h1.5
  text "+" at 57.95,24 h1.5
Bottom Overlay:
  circle w0.5: c21.9,21.4 r13
  lines w0.3: 1.513,40.593 cw(c21.9,21.4) 44.131,4.377 ; 1.544,53.488 cw(c21.9,21.4) 55.868,4.366
Board Outline:
  lines w0.2: 10.095,29.82 cw(c21.9,21.4) 13.48,33.205 15.329,31.141 ccw(c21.9,21.4) 12.159,27.971 10.095,29.82
  lines w0.254: 0,0 100,0 100,100 0,100 0,0